# Altium PCB PCB1.PcbDoc
Units mm, origin at the board's own origin, x right, y up, seen from the top; angles counter-clockwise.
Board outline 100 x 100 mm, 2 copper layers (Top Layer, Bottom Layer); 30 components, 31 nets, 174 pads, 0 vias.
Unrouted connection lines stored in the file: 8.
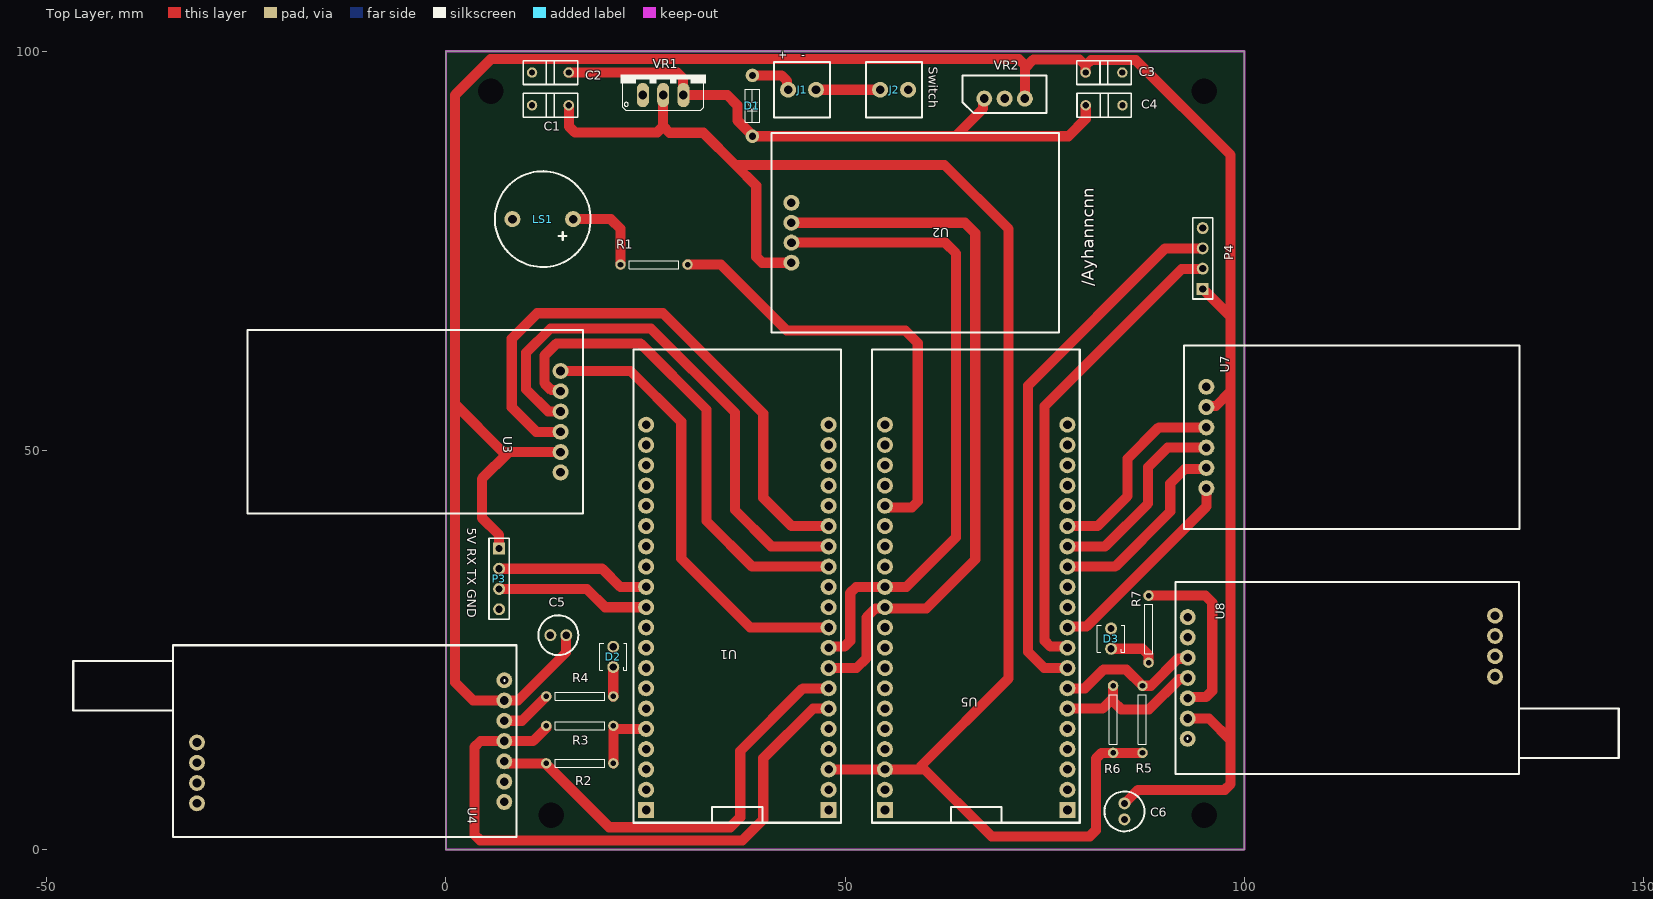
[diagram p0: Top Layer view]
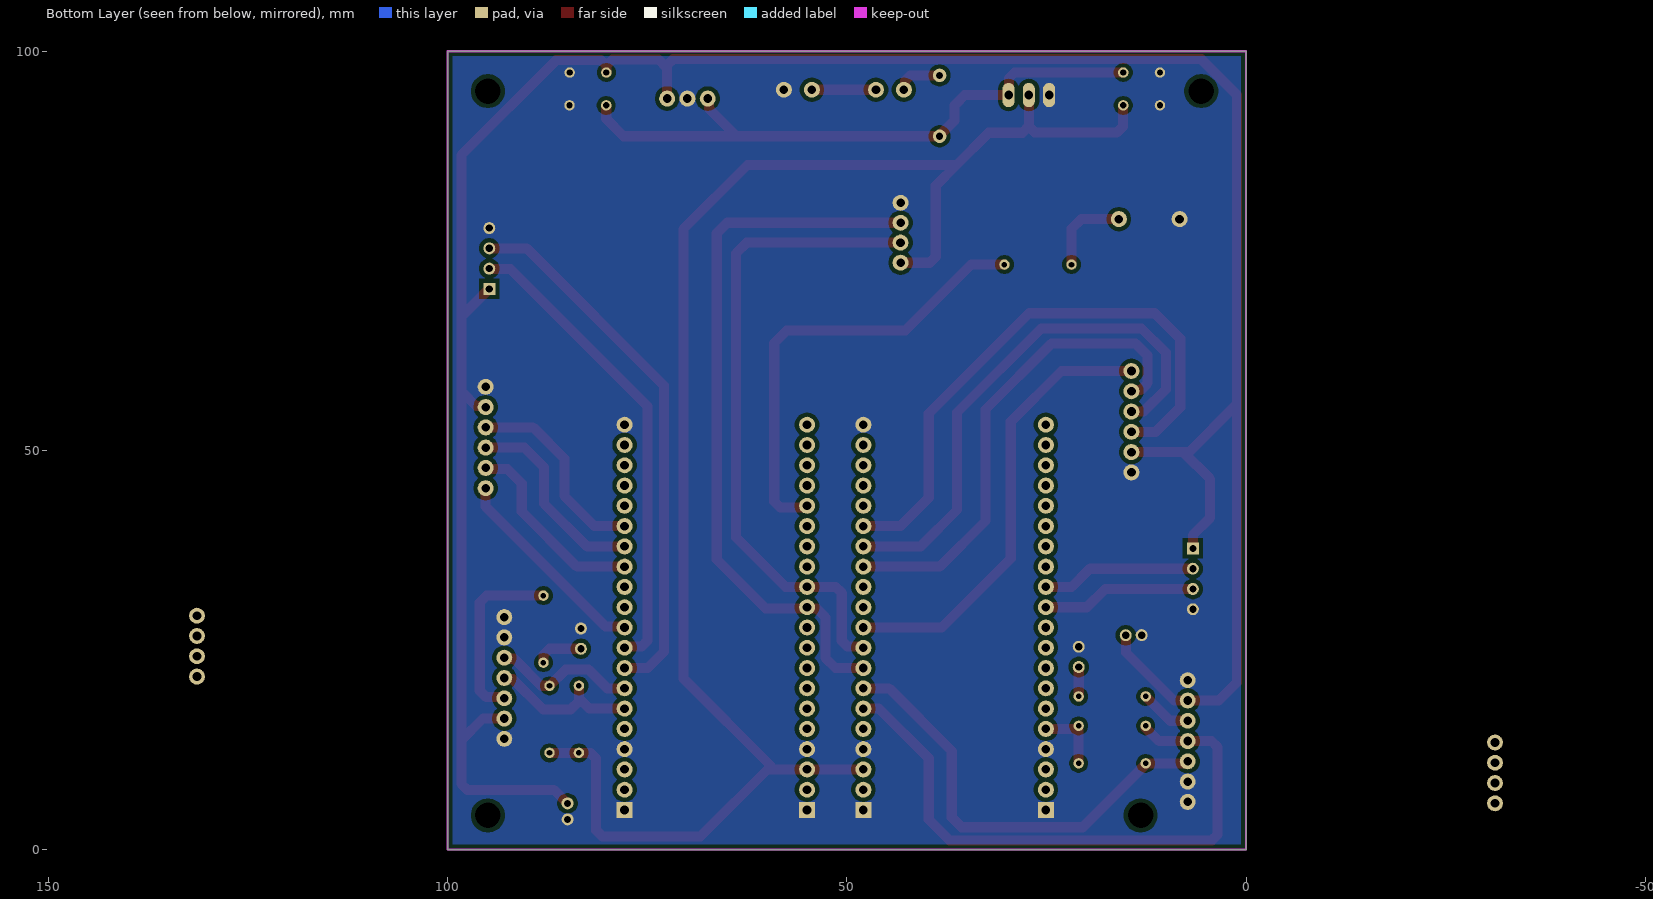
[diagram p1: Bottom Layer view, seen from below]

## Layer stack, top to bottom
Top Solder: solder mask 0.0102, Solder Resist, Dk 3.5
Top Layer: signal copper 0.0356
Dielectric 1: dielectric 0.32, FR-4, Dk 4.8
Bottom Layer: signal copper 0.0356
Bottom Solder: solder mask 0.0102, Solder Resist, Dk 3.5

## Board outline
0,0 0,100 100,100 100,0

## Design rules (kind name [scope] priority, off if disabled: settings)
AssemblyTestpoint AssemblyTestpoint_1 [All] p1: testpointundercomponent=TRUE minsize=1.016 maxsize=2.54 preferedsize=1.524 minholesize=0 maxholesize=1.016 preferedholesize=0.813 testpointgrid=0.025 usegrid=TRUE gridtolerance=0 allowsidetop=TRUE allowsidebottom=TRUE
Clearance [All] p1: gap=0.254 ignorepadtopadclearanceinfootprint=FALSE except(0.15: Arc-Text Track-Text SMDPad-Text THPad-Text Via-Text Fill-Text Poly-Text Region-Text Text-Text; 0.508: Arc-Poly Track-Poly SMDPad-Poly THPad-Poly Via-Poly Fill-Poly Poly-Poly)
Height [All] p1: minheight=0 maxheight=2539.975 prefheight=12.7
HoleSize [All] p1: absolutevalues=TRUE maxlimit=3.5 minlimit=0.025 maxpercent=80.000 minpercent=20.000
PlaneClearance [All] p1: clearance=1.016
PolygonConnect [All] p1: connectstyle=Direct reliefconductorwidth=0.508 reliefentries=4 polygonreliefangle="90 Angle" airgapwidth=0.508
RoutingVias [All] p1: holewidth=5 width=1 viastyle="Through Hole" minholewidth=5 minwidth=1 maxholewidth=5 maxwidth=1
SolderMaskExpansion [All] p1: expansion=0.102 istentingtop=FALSE
Width [All] p1: maxlimit=2.54 minlimit=1.016 preferedwidth=1.27 minimp=50.000000 maximp=50.000000 favimp=50.000000
26 further rules are at their usual default settings.

## Components (designator, comment, footprint, x,y, rotation, side; value= is the part's Value field where it differs from the comment)
C1 "10µF" LCAPACITOR 13.081,93.218 r0 top
C2 "100nF" LCAPACITOR 13.081,97.333 r0 top
C3 "0.33µF" LCAPACITOR 82.423,97.333 r180 top
C4 "0.1µF" LCAPACITOR 82.448,93.218 r180 top
C5 "1µF" CAPACITOR 14.072,26.848 r180 top
C6 "1µF" CAPACITOR 84.988,4.775 r270 top
D1 "Diode" ZENER 38.379,93.167 r90 top
D2 "Led" LED 20.955,24.13 r270 top
D3 "Led" LED 83.312,26.416 r270 top
J1 "Klemens" KLEMENS 44.605,95.174 r0 top
J2 "Klemens" KLEMENS 56.134,95.174 r0 top
LS1 "Buzzer" BUZZER 12.126,78.969 r270 top
P3 "Header 4" HDR1X4 6.655,37.719 r270 top
P4 "Header 4" HDR1X4 94.793,70.231 r90 top
R1 "1Ω" RESISTOR 26.06,73.279 r180 top
R2 "4.7kΩ" RESISTOR 16.764,10.795 r0 top
R3 "4.7kΩ" RESISTOR 16.764,15.494 r0 top
R4 "330Ω" RESISTOR 16.764,19.177 r180 top
R5 "4.7kΩ" RESISTOR 87.249,16.307 r270 top
R6 "4.7kΩ" RESISTOR 83.566,16.307 r270 top
R7 "330Ω" RESISTOR 88.011,27.61 r90 top
U1 "ESP32 Thing" "ESP32 THING" 25.07,4.953 r0 top
U2 "NEO6MV2" NEO6MV2 43.276,77.261 r90 top
U3 "SD Card Modul" "SD CARD MODüLü" 14.351,53.594 r180 top
U4 "LORA E32" LORAE32 7.306,13.589 r270 top
U5 "ESP32 Thing" "ESP32 THING" 54.991,4.953 r0 top
U7 "SD Card Modul" "SD CARD MODüLü" 95.25,51.613 r0 top
U8 "LORA E32" LORAE32 92.913,21.488 r90 top
VR1 "LD1117" LD1117 27.203,94.513 r0 top
VR2 "LM7805" LM7805 69.977,94.158 r0 top

## Footprints (in the part's own frame and the unit in brackets; to place one, negate y for a bottom-side part, rotate by r counter-clockwise, add the part's x,y. Pads: shape width x height; smd on the part's side, far side on the other; paste and mask are expansions set on the pad)
BUZZER [mm]
  round 2 hole 1.08 mask+0.05: 1(0,3.8) 2(0,-3.8)
  silkscreen extent -6,-6 6,6, body extent -6,-6 6,6, height 9.5
CAPACITOR [mm]
  round 1.5 hole 0.9 mask+0.05: 1(-1,0.004) 2(1,-0.004)
  silkscreen extent -2.5,-2.5 2.5,2.5, body extent -2.58,-2.58 2.58,2.57, height 11.45
"ESP32 THING" [mm]
  round 2 hole 1.08 mask+0.05: 0(22.86,20.32) 2(22.86,22.86) 3V3_1(0,10.16) 3V3_2(22.86,10.16) 4(22.86,17.78) 5(22.86,27.94) 12(0,17.78) 13(0,15.24) 14(0,20.32) 15(22.86,25.4) 16(22.86,12.7) 17(22.86,15.24) 18(22.86,30.48) 19(22.86,35.56) 21(22.86,45.72) 22(22.86,38.1) 23(22.86,33.02) 25(0,27.94) 26(0,25.4) 27(0,22.86) 32(0,38.1) 33(0,35.56) 34(0,33.02) 35(0,30.48) 36(0,48.26) 37(0,45.72) 38(0,43.18) 39(0,40.64) GND_2(0,7.62) GND_4(22.86,7.62) GND_5(22.86,48.26) RST(0,12.7) RX(22.86,40.64) TX(22.86,43.18) VBAT_1(0,5.08) VBAT_2(22.86,5.08) VUSB_1(0,2.54) VUSB_2(22.86,2.54)
  rect 2x2 hole 1.08 mask+0.05: GND_1(0,0) GND_3(22.86,0)
  silkscreen extent -1.6,-1.6 24.4,57.66, body extent -1.4,-1.4 24,57, height 5.7
HDR1X4 [mm] "Connector; Header; 4 Position"
  rect 1.5x1.5 hole 0.9: 1(0,0)
  round 1.5 hole 0.9: 2(2.54,0) 3(5.08,0) 4(7.62,0)
  silkscreen extent -1.27,-1.27 8.89,1.27
KLEMENS [mm]
  round 2 hole 1.08: 0(-1.75,0) 1(1.75,0)
  silkscreen extent -3.5,-3.5 3.5,3.5, body extent -3.5,-3.4 3.5,3.4, height 8.4
LCAPACITOR [mm]
  round 1.308 hole 0.8: 1(-2.3,0) 2(2.3,0)
  silkscreen extent -3.4,-1.5 3.4,1.5, body extent -3.3,-1.42 3.3,1.42, height 9.28
LD1117 [mil]
  oval 60x120 hole 42.52: 1(100,0) 2(0,0) 3(-100,0)
  silkscreen extent -210,-75 210,100, body extent -195,-67 199,63, height 669
LED [mm]
  round 1.5 hole 0.9: 1(-1.27,0) 2(1.27,0)
  silkscreen extent -1.7,-1.7 1.7,1.7, body extent -1.7,-1.7 1.7,1.7, height 5.35
LM7805 [mm]
  round 2 hole 1.08: 1(-2.544,-0.086) 2(-0.004,-0.086) 3(2.536,-0.086)
  silkscreen extent -5.27,-1.89 5.27,2.81, body extent -4.86,-1.61 5.11,2.84, height 15.75
LORAE32 [mm]
  round 2 hole 1.08: 1(-7.62,0) 2(-5.08,0) 3(-2.54,0) 4(0,0) 5(2.54,0) 6(5.08,0) 7(0.18,-38.5) 7(2.72,-38.5) 7(5.26,-38.5) 7(7.62,0) 7(7.8,-38.5)
  silkscreen extent -12,-54 12,1.5, body extent -12,-67 12,1.5, height 90.99
NEO6MV2 [mm]
  round 2 hole 1.08: 1(-3.75,0.006) 2(-1.239,-0.006) 3(1.25,0.006) 4(3.75,0.006)
  silkscreen extent -12.5,-33.5 12.5,2.5, body extent -12.87,-33.47 13.33,1.93, height 3.77
RESISTOR [mm]
  round 1.308 hole 0.7: 1(-4.2,0) 2(4.2,0)
  silkscreen extent -3.1,-0.5 3.1,0.5, body extent -4.55,-1.25 4.55,1.25, height 2.55
"SD CARD MODüLü" [mm]
  round 2 hole 1.08: 0(0,3.81) 1(0,-3.81) 2(0,-1.27) 3(0,1.27) 4(0,-6.35) 5(0,6.35)
  silkscreen extent -2.8,-11.47 39.2,11.53, body extent -7.1,-11.8 38.63,12.2, height 5.59
ZENER [mm]
  round 1.7 hole 0.9: 1(3.81,0) 2(-3.81,0)
  silkscreen extent -2.08,-0.92 2.08,0.92, body extent -4.03,-1.26 4.11,1.27, height 2.57

## Part data
C1 C2 C3 C4: library part Capacitor
C5 C6: library part DCapacitor
P3 P4: "Header, 4-Pin", LatestRevisionDate=17-Jul-2002, LatestRevisionNote="Re-released for DXP Platform.", Publisher="Altium Limited"
R1 R2 R3 R4 R5 R6 R7: library part Resistor
U1 U5: "ESP32 802.11 Wireless LAN/Combo Wireless Module Development Kit", Frequency=2.4GHz, Manufacturer=SparkFun, Manufacturer Part Number=DEV-13907, Supplier Part Number 1=1568-1444-ND, Category="RF Semiconductors and Devices", ComponentLink1Description=https://github.com/sparkfun/ESP32_Thing?src-supplier=Digi-Key, ComponentLink1URL=https://github.com/sparkfun/ESP32_Thing?src-supplier=Digi-Key, Pricing 1="1=23,50000 (USD)", RoHS=No, Stock 1=568, Supplier 1=Digi-Key
U2: "U#NEO-6M Gps Module U-BLOX6 SMD24P", Manufacturer=u-blox, Manufacturer Part Number=NEO-6M-0, Supplier Part Number 1=377-NEO-6M-0, Pricing 1="1=60,00000, 10=41,87000, 50=27,23000, 100=17,72000, 1000=17,72000, 10000=17,72000 (USD)", RoHS=Yes, RoHS Compliant=Yes, Stock 1=236, Supplier 1=Mouser
U4 U8: "WiFi-Modul 802.11/BT 2, 4-2, 5GHz 150Mb/s", Manufacturer="Espressif Systems", Manufacturer Part Number=ESP32-S3-WROOM-1-N16R8, Supplier Part Number 1=1965-ESP32-S3-WROOM-1-N16R8CT-ND, Category=Uncategorized, Pricing 1="1=4,29000 (USD)", RoHS=No, Stock 1=327, Supplier 1=Digi-Key
VR1: "LDO Regulator Pos 3.3V 1.3A 3-Pin(3+Tab) TO-220 Tube (Alt: LD1117V33C)", Case/Package=TO, Dropout Voltage=1.1V, Manufacturer=STMicroelectronics, Manufacturer Part Number=LD1117V33C, Max Operating Temperature=125°C, Max Output Current=1.3A, Max Power Dissipation=12W, Max Input Voltage=15V, Min Operating Temperature=-40°C, Min Output Voltage=3.3V, Output Current=800mA, Output Voltage Accuracy=1%, Package Quantity=50, Quiescent Current=10mA, Supplier Part Number 1=497-1492-5-ND, Input Bias Current=5mA, Accuracy=1%, Category="Voltage Regulators - Linear", ComponentLink1Description=https://datasheet.ciiva.com/1511/1776449-1511580.pdf?src-supplier=Element14, ComponentLink1URL=https://datasheet.ciiva.com/1511/1776449-1511580.pdf?src-supplier=Element14, ComponentLink2Description=https://datasheet.ciiva.com/16226/cd00000544-16226333.pdf?src-supplier=Future+Electronics, ComponentLink2URL=https://datasheet.ciiva.com/16226/cd00000544-16226333.pdf?src-supplier=Future+Electronics, ComponentLink3Description=https://datasheet.ciiva.com/2044/cd00000544-2044110.pdf?src-supplier=Digi-Key, ComponentLink3URL=https://datasheet.ciiva.com/2044/cd00000544-2044110.pdf?src-supplier=Digi-Key, Height=9.15mm, Lead Free="Lead Free", Length=10.4mm, Mount="Through Hole", Nominal Output Voltage=3.3V, Number of Outputs=1, Number of Pins=3, Number of Regulators=1, Output Type=Fixed, Output Voltage=3.3V, Packaging=Rail/Tube, Polarity=Positive, Power Dissipation=12W, Pricing 1="1=0,84000, 10=0,74000, 25=0,69520, 100=0,56750, 250=0,52708, 500=0,44860, 1000=0,37030 (USD)", Radiation Hardening=No, REACH SVHC="No SVHC", RoHS=Yes, RoHS Compliant=Yes, Series=-, Stock 1=30, Supplier 1=Digi-Key, Weight=0.02lb, Width=4.6mm
VR2: "LM78XX Series 5 V Fixed Output 1 A 3-Terminal LDO Voltage Regulator - TO-220", Case/Package=TO-220-3, Current Rating=1A, Dropout Voltage=2V, Manufacturer="ON Semiconductor / Fairchild", Manufacturer Part Number=LM7805CT, Max Operating Temperature=125°C, Max Output Voltage=5.2V, Max Input Voltage=35V, Min Operating Temperature=-40°C, Min Output Voltage=5V, Min Input Voltage=7V, Output Voltage Accuracy=4%, Package Quantity=50, Power Supply Rejection Ratio (PSRR)=73dB, Quiescent Current=8mA, Supplier Part Number 1=LM7805CT-ND, Accuracy=4%, Category="Voltage Regulators - Linear", ComponentLink1Description=https://datasheet.ciiva.com/19456/786138-19456361.pdf?src-supplier=Jameco, ComponentLink1URL=https://datasheet.ciiva.com/19456/786138-19456361.pdf?src-supplier=Jameco, ComponentLink2Description=https://datasheet.ciiva.com/1512/1855686-1512105.pdf?src-supplier=Element14, ComponentLink2URL=https://datasheet.ciiva.com/1512/1855686-1512105.pdf?src-supplier=Element14, ComponentLink3Description=https://datasheet.ciiva.com/1512/1855686-1512106.pdf?src-supplier=Element14, ComponentLink3URL=https://datasheet.ciiva.com/1512/1855686-1512106.pdf?src-supplier=Element14, ComponentLink4Description=https://datasheet.ciiva.com/1511/1855686-1511835.pdf?src-supplier=Element14, ComponentLink4URL=https://datasheet.ciiva.com/1511/1855686-1511835.pdf?src-supplier=Element14, ComponentLink5Description=https://datasheet.ciiva.com/8239/lm7812-8239478.pdf?src-supplier=Avnet, ComponentLink5URL=https://datasheet.ciiva.com/8239/lm7812-8239478.pdf?src-supplier=Avnet, ComponentLink6Description=https://datasheet.ciiva.com/17332/lm7805-17332792.pdf?src-supplier=Future+Electronics, ComponentLink6URL=https://datasheet.ciiva.com/17332/lm7805-17332792.pdf?src-supplier=Future+Electronics, ComponentLink7Description=https://datasheet.ciiva.com/2039/lm7805-2039365.pdf?src-supplier=Digi-Key, ComponentLink7URL=https://datasheet.ciiva.com/2039/lm7805-2039365.pdf?src-supplier=Digi-Key, ComponentLink8Description=https://datasheet.ciiva.com/48694/001253095-da-01-en-ic-reg-ldo-5v-1a-lm7805ct-to-220-3-fsc-48694790.pdf?src-supplier=Conrad, ComponentLink8URL=https://datasheet.ciiva.com/48694/001253095-da-01-en-ic-reg-ldo-5v-1a-lm7805ct-to-220-3-fsc-48694790.pdf?src-supplier=Conrad, Height=16.3mm, Lead Free="Lead Free", Length=10.67mm, Max Output Current=1A, Mount="Through Hole", Nominal Output Voltage=5V, Number of Outputs=1, Number of Pins=3, Number of Regulators=1, Output Current=1A, Output Type=Fixed, Output Voltage=5V, Packaging=Rail/Tube, Polarity=Positive, Radiation Hardening=No, REACH SVHC="No SVHC", RoHS=Yes, RoHS Compliant=Yes, Supplier 1=Digi-Key, Weight=1.214g, Width=4.7mm
U3 U7: ComponentLink1Description=Datasheet, ComponentLink1URL=https://www.robolinkmarket.com/mikro-sd-kart-modulu?gclid=CjwKCAiAmuKbBhA2EiwAxQnt78OaB-zGV_fY0ZC8aCN55WRXhNGCRLTzrWpBnvPU45m0bp0klij65RoCjc0QAvD_BwE

## Free pads (board coordinates)
  round 1 hole 3.2: 17(5.613,95) 17(13.208,4.267) 17(94.971,4.267) 17(94.971,95)

## Nets (pads, with @x,y where several pads share a name; then routed paths per layer and width w, separated by ;. In a path a pad name is that pad's centre, name@x,y a point inside that pad or via, vN(x,y) a via of type N, cw(c..) or ccw(c..) an arc to the next point about the centre after c; other vN are vias at no path point)
3V3: C1.2 R5.2 R6.2 U1.VBAT_2 U2.1 U5.VBAT_1 VR1.2 | length 209.7
  Top Layer w1.27: C1.2 15.388,93.211 15.388,90.595 16.144,89.84 26.459,89.84 27.203,90.584 ; VR1.2 27.203,90.584 ; U2.1 39.606,73.511 38.862,74.255 38.862,83.167 36.279,85.75 ; U1.VBAT_2 U5.VBAT_1 59.944,10.033 ; R5.2 R6.2 82.151,12.107 81.407,11.363 81.407,2.395 80.663,1.651 68.326,1.651 59.512,10.465 70.485,21.438 70.485,77.724 62.459,85.75 36.279,85.75 ; 27.203,90.584 27.998,89.789 32.24,89.789 36.279,85.75
3V3_1: R2.2 R3.2 U1.3V3_1 | length 8.5
  Top Layer w1.27: R2.2 R3.2@20.964,14.986 ; R3.2 20.974,15.494 21.355,15.113 U1.3V3_1
5V: C3.2 C5.1 C6.1 P3.1 P4.1 U3.0 U4.2 U7.0 U8.2 VR2.3 | length 342
  Top Layer w1.27: P3.1 6.655,39.395 4.496,41.554 4.496,46.431 7.849,49.784 ; U3.0 7.849,49.784 ; C5.1 15.028,26.799 15.028,24.68 9.017,18.669 U4.2 3.404,18.669 1.143,20.93 1.143,55.778 ; VR2.3 72.513,97.887 ; C3.2 80.116,97.34 80.116,98.203 ; C6.1 86.685,7.468 97.554,7.468 98.298,8.212 98.298,13.691 ; U8.2 95.58,16.408 98.298,13.691 ; P4.1 98.298,66.726 ; U7.0@95.148,55.524 U7.0 95.39,55.562 96.456,55.562 98.196,57.302 98.298,57.302 ; 1.143,55.778 1.143,94.539 5.613,99.009 32.283,99.009 71.769,99.009 72.513,98.265 72.513,97.887 ; 1.143,55.778 7.137,49.784 7.849,49.784 ; 72.513,97.887 73.584,98.958 79.36,98.958 80.116,98.203 ; 80.116,98.203 80.795,98.882 86.411,98.882 98.298,86.995 98.298,66.726 ; 98.298,13.691 98.298,57.302 ; 98.298,57.302 98.298,66.726
Buzzer: R1.1 U5.32 | length 57.3
  Top Layer w1.27: R1.1 34.417,73.279 42.688,65.008 57.547,65.008 59.106,63.449 59.106,43.594 58.362,42.85 55.71,42.85 55.647,42.913 55.131,42.913 U5.32
CS: U1.2 U3.4 | length 56.9
  Top Layer w1.27: U3.4 23.114,59.944 29.464,53.594 29.464,36.449 38.1,27.813 U1.2
CS_1: U5.2 U7.4 | length 26
  Top Layer w1.27: U5.2 77.991,27.953 80.251,27.953 95.25,42.951 U7.4
GND: C1.1 C2.1 C3.1 C4.1 C5.2 C6.2 D2.1 D3.1 J2.1 LS1.2 P3.4 P4.4 U1.GND_1 U1.GND_2 U1.GND_3 U1.GND_4 U1.GND_5 U2.4 U3.5 U4.1 U4.6 U4.7 U5.GND_1 U5.GND_2 U5.GND_3 U5.GND_4 U5.GND_5 U7.5 U8.1 U8.6 U8.7 VR1.3 VR2.2
MISO: U1.19 U3.3 | length 74.2
  Top Layer w1.27: U3.3 11.289,52.324 8.23,55.383 8.23,63.983 11.43,67.183 27.178,67.183 39.751,54.61 39.751,44.069 43.307,40.513 U1.19
MISO_1: U5.19 U7.3 | length 25.3
  Top Layer w1.27: U5.19 81.61,40.513 85.369,44.272 85.369,48.946 89.306,52.883 U7.3
MOSI: U1.23 U3.2 | length 67.7
  Top Layer w1.27: U3.2 14.33,54.885 12.804,54.885 10.033,57.656 10.033,62.23 13.081,65.278 25.654,65.278 36.195,54.737 36.195,42.531 40.753,37.973 U1.23
MOSI_1: U5.23 U7.2 | length 25.2
  Top Layer w1.27: U5.23 82.575,37.973 87.935,43.332 87.935,47.904 90.373,50.343 U7.2
NetC2_2: C2.2 C4.2 D1.2 VR1.1 VR2.1 | length 79.3
  Top Layer w1.27: C2.2 28.999,97.333 29.695,96.638 29.695,94.562 VR1.1 35.23,94.513 36.501,93.242 36.501,91.352 38.379,89.474 D1.2 63.83,89.357 ; VR2.1 67.293,93.932 67.293,92.82 63.83,89.357 ; C4.2 80.148,91.528 77.978,89.357 63.83,89.357
NetD1_1: D1.1 J1.0 | length 5.8
  Top Layer w1.27: D1.1 38.385,96.983 42.024,96.983 42.715,96.292 42.715,95.314 J1.0
NetD2_2: D2.2 R4.1 | length 3.7
  Top Layer w1.27: D2.2 20.96,22.855 20.96,19.181 R4.1
NetD3_2: D3.2 R7.1 | length 6
  Top Layer w1.27: D3.2 87.248,25.146 88.004,24.39 88.004,23.417 R7.1
NetJ1_1: J1.1 J2.0 | length 8
  Top Layer w1.27: J1.1 J2.0
NetLS1_1: LS1.1 R1.2 | length 10.9
  Top Layer w1.27: LS1.1 20.65,78.969 21.86,77.758 R1.2
NetR4_2: R4.2 U4.3 | length 6.5
  Top Layer w1.27: U4.3 9.516,16.129 R4.2
NetR7_2: R7.2 U8.3 | length 22.8
  Top Layer w1.27: R7.2 95.114,31.81 95.987,30.937 95.987,19.888 95.186,19.088 93.053,19.088 U8.3
RX: R2.1 U1.17 U4.5 | length 56.1
  Top Layer w1.27: U4.5 7.503,11.049 7.757,10.795 12.437,10.795 20.438,2.794 35.611,2.794 36.855,4.039 36.855,12.344 44.704,20.193 U1.17
RX_1: R5.1 U5.17 U8.5 | length 18.3
  Top Layer w1.27: U5.17 80.01,20.193 82.347,22.53 85.226,22.53 R5.1 87.256,20.514 88.307,20.514 91.681,23.889 92.774,23.889 U8.5
SCK: U1.18 U3.1 | length 61.9
  Top Layer w1.27: U3.1 14.211,57.544 13.204,57.544 12.319,58.428 12.319,61.867 13.825,63.373 24.384,63.373 32.639,55.118 32.639,41.148 38.354,35.433 U1.18
SCK_1: U5.18 U7.1 | length 24.6
  Top Layer w1.27: U5.18 83.82,35.433 90.729,42.342 90.729,45.847 92.545,47.663 95.11,47.663 U7.1
SRX: U1.0 U2.2 U5.25 | length 81.7
  Top Layer w1.27: U2.2 62.535,76.022 63.881,74.676 63.881,39.116 57.658,32.893 51.392,32.893 50.648,32.149 50.648,26.157 49.904,25.413 U1.0@48.077,25.413
SRX2: P4.2 U5.0 | length 59.6
  Top Layer w1.27: U5.0 77.711,25.413 75.737,25.413 74.993,26.157 74.993,55.568 92.152,72.727 94.749,72.727 P4.2
SRX_2: P3.2 U1.25 | length 19.4
  Top Layer w1.27: P3.2 19.558,35.179 21.844,32.893 U1.25
STX: U1.4 U2.3 U5.26 | length 91.6
  Top Layer w1.27: U2.3 64.999,78.511 66.294,77.216 66.294,36.322 60.173,30.201 55.66,30.201 55.647,30.213 55.131,30.213 U5.26 ; U1.4 51.435,22.733 52.68,23.978 52.68,29.083 53.81,30.213 54.725,30.213 U5.26@55.004,30.493
STX2: P4.3 U5.4 | length 68.2
  Top Layer w1.27: U5.4 74.93,22.733 72.898,24.765 72.898,58.108 90.101,75.311 P4.3
STX_2: P3.3 U1.26 | length 19.4
  Top Layer w1.27: P3.3 17.653,32.639 19.939,30.353 U1.26
TX: R3.1 U1.16 U4.4 | length 77.2
  Top Layer w1.27: R3.1 12.557,15.487 12.557,15.224 10.922,13.589 U4.4 4.318,13.589 3.556,12.827 3.556,1.887 4.3,1.143 37.135,1.143 39.751,3.759 39.751,11.43 45.974,17.653 U1.16
TX_1: R6.1 U5.16 U8.4 | length 19.6
  Top Layer w1.27: U5.16 82.245,17.653 83.559,18.967 ; R6.1@83.573,20.5 R6.1 83.559,20.5 83.559,18.967 ; U8.4 92.774,21.349 91.859,21.349 88.062,17.551 84.579,17.551 83.559,18.571 83.559,18.967
pads on no net: U1.3V3_2 U1.5 U1.12 U1.13 U1.14 U1.15 U1.21 U1.22 U1.27 U1.32 U1.33 U1.34 U1.35 U1.36 U1.37 U1.38 U1.39 U1.RST U1.RX U1.TX U1.VBAT_1 U1.VUSB_1 U1.VUSB_2 U5.3V3_1 U5.3V3_2 U5.5 U5.12 U5.13 U5.14 U5.15 U5.21 U5.22 U5.27 U5.33 U5.34 U5.35 U5.36 U5.37 U5.38 U5.39 U5.RST U5.RX U5.TX U5.VBAT_2 U5.VUSB_1 U5.VUSB_2

## Polygon pours and split planes (outlines as drawn)
GND on Bottom Layer "GND_L02_P000" (solid, pour order 0): 100,0 0,0 0,100 100,100

## Keep-outs
Keep-Out Layer:
  the board outline again, w0.254

## Silkscreen, mask and mechanical layers (free items; w line width, h text height)
Top Overlay:
  text "+    -" at 41.631,99.035 h1.02
  text "Switch" at 60.503,98.069 h1.14 r270
  text "/Ayhanncnn" at 81.153,70.536 h1.52 r90
  text "5V RX TX GND" at 2.692,40.335 h1.14 r270

## Text inside footprints (layer, text, board x,y; h text height)
VR1: Mechanical 13 "3" at 29.109,93.243 h1.27; Mechanical 13 "2" at 26.568,93.242 h1.27; Mechanical 13 "1" at 24.026,93.243 h1.27